# Altium PCB PCB1.PcbDoc
Units mil, origin at the board's own origin, x right, y up, seen from the top; angles counter-clockwise.
Board outline 3730.03 x 2640.03 mil, 2 copper layers (Top Layer, Bottom Layer); 21 components, 21 nets, 82 pads, 0 vias.
Unrouted connection lines stored in the file: 2.
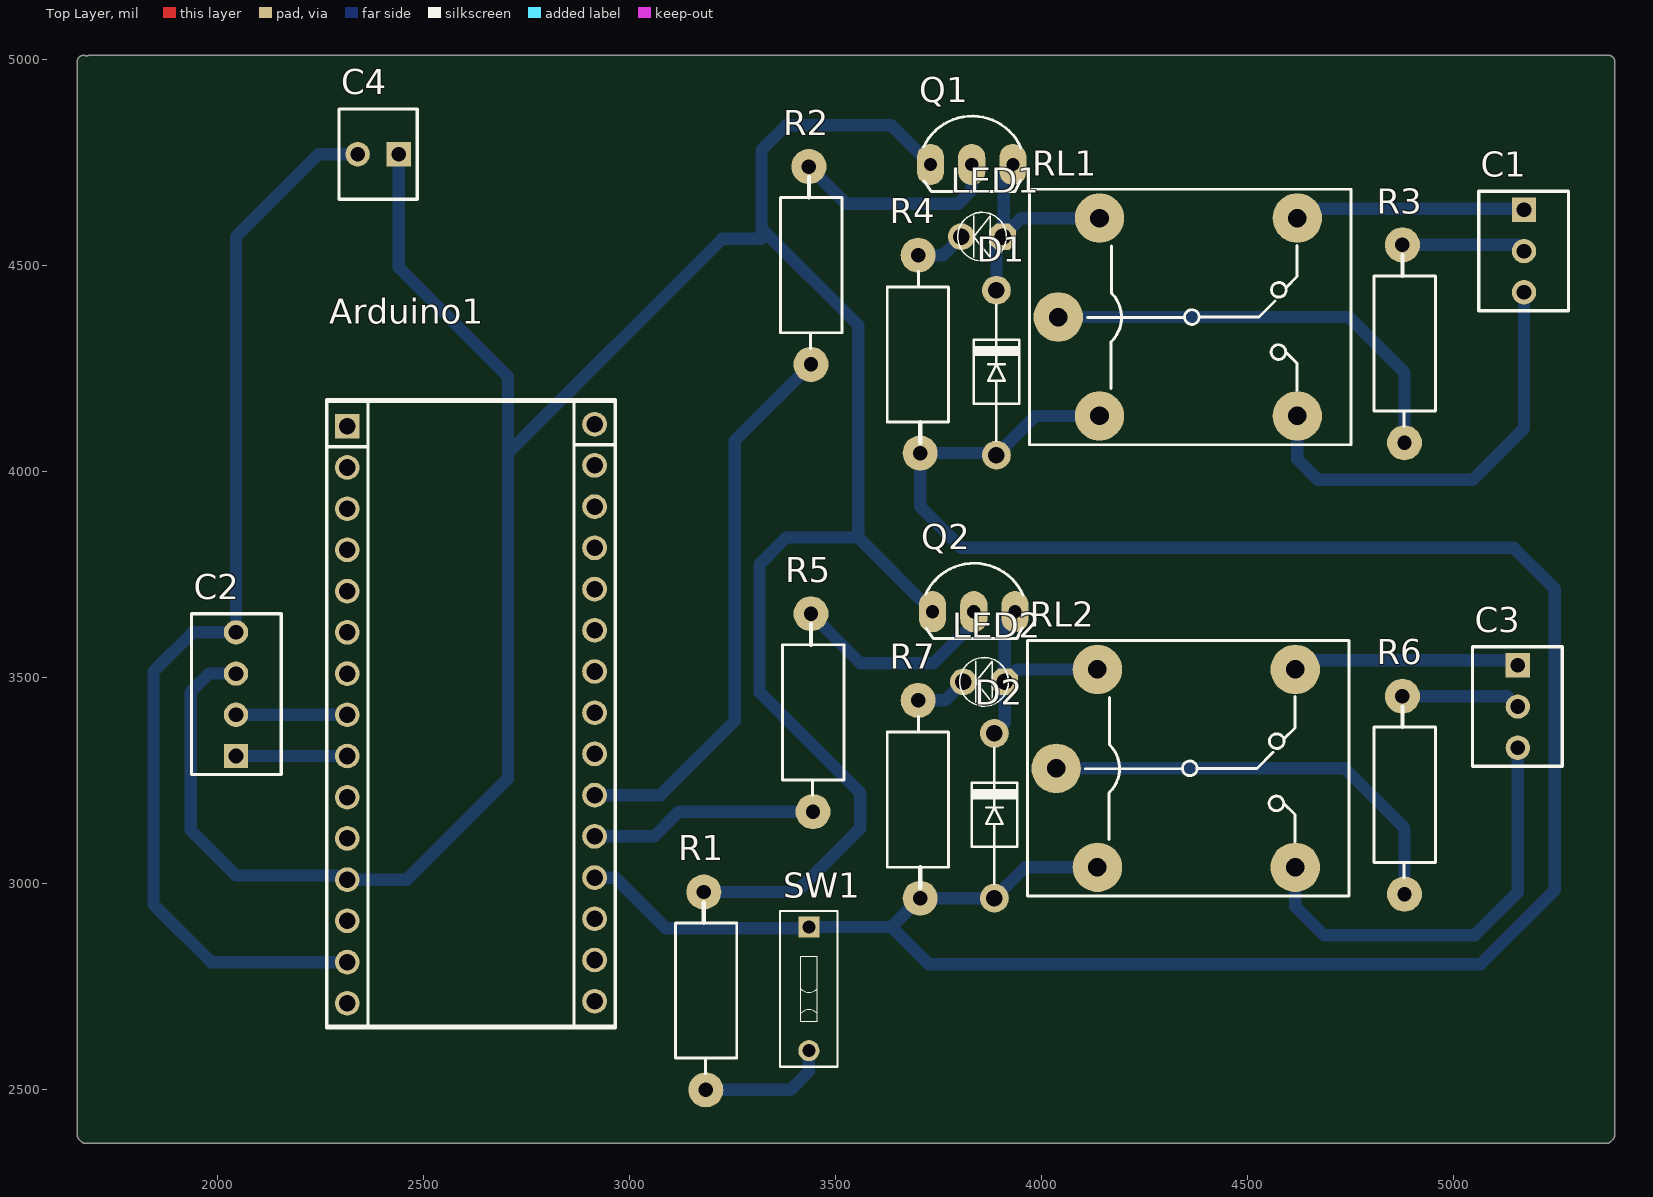
[diagram p0: Top Layer view]
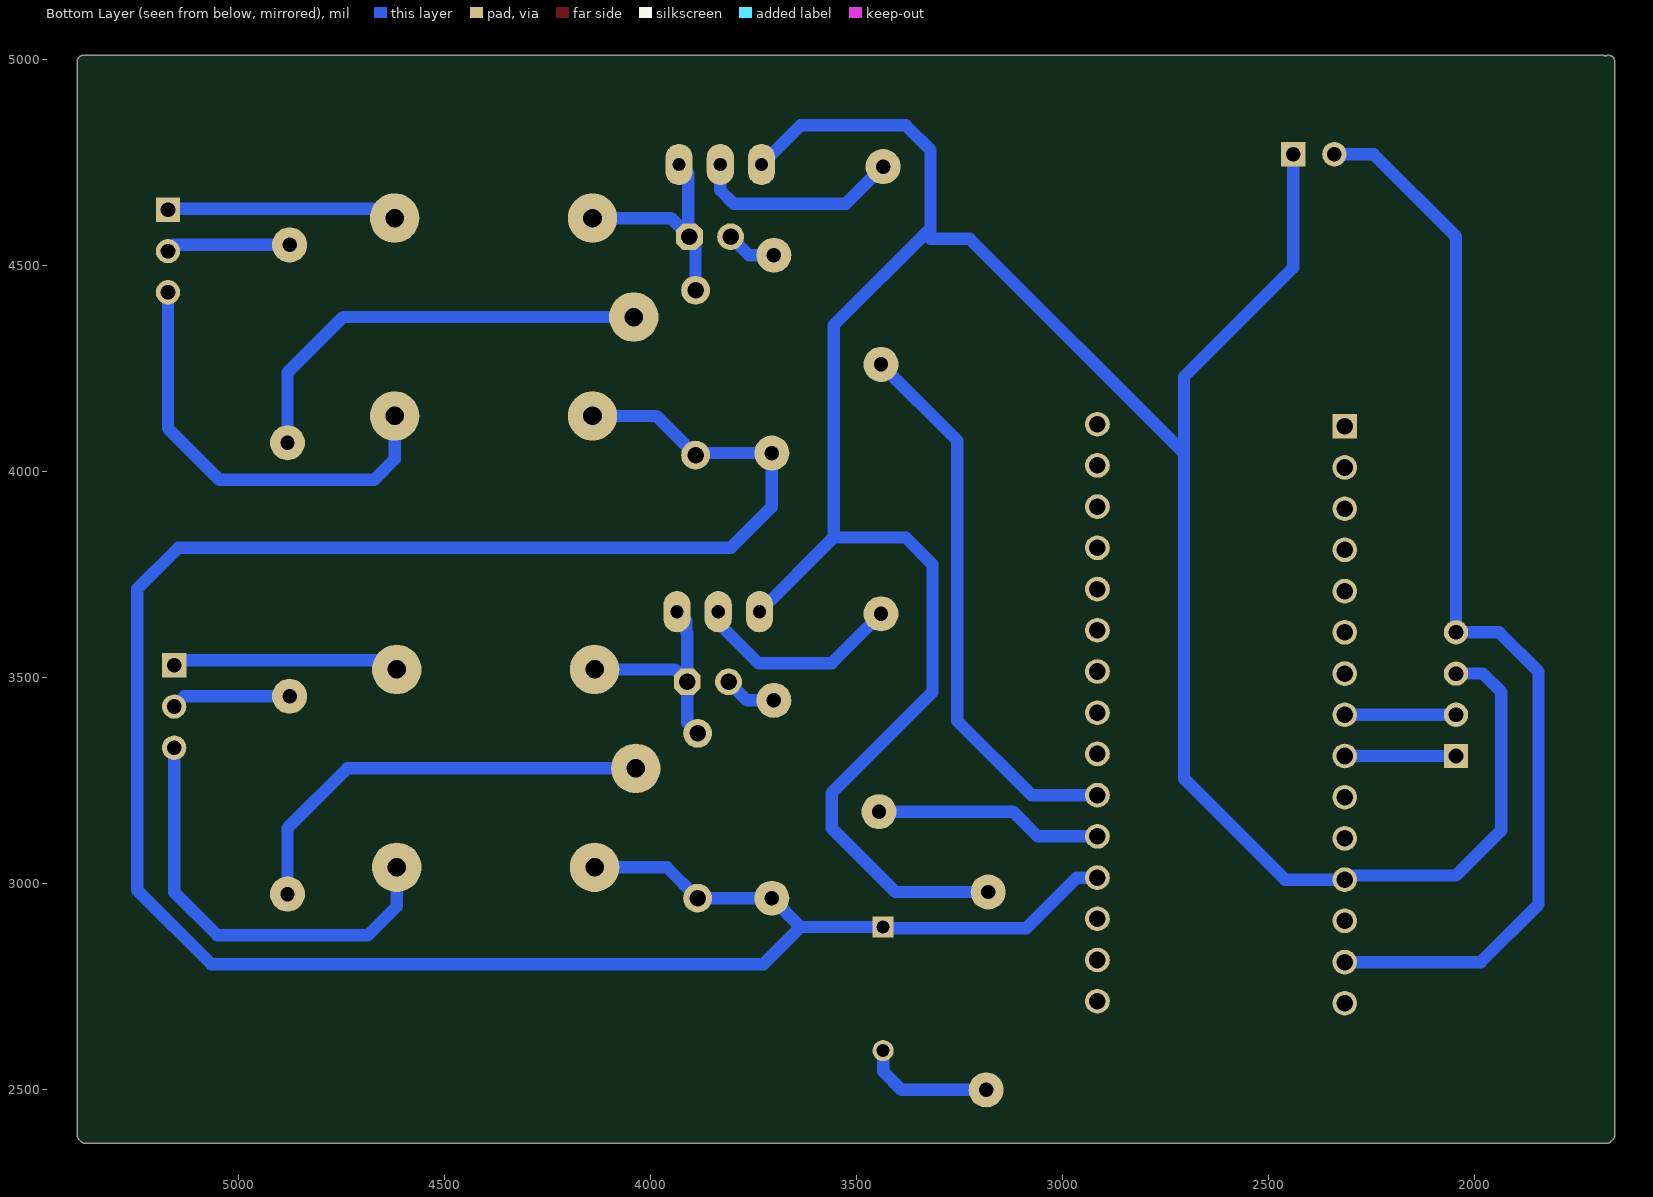
[diagram p1: Bottom Layer view, seen from below]

## Layer stack, top to bottom
Top Solder: solder mask 0.4, Solder Resist, Dk 3.5
Top Layer: signal copper 1.4
Dielectric 1: dielectric 12.6, FR-4, Dk 4.8
Bottom Layer: signal copper 1.4
Bottom Solder: solder mask 0.4, Solder Resist, Dk 3.5

## Board outline
1669.38,2374.38 1664.38,2379.38 1664.4,2379.37 cw(c1675,2390) 1659.98,2390 1659.98,4995 cw(c1675,4995) 1682.5,5008.01 cw(c1690,4995) 1690,5010.02 5375,5010.02 cw(c5375,4995) 5390.02,4995 5390.02,2390 cw(c5375,2390) 5385.6,2379.37 5385.62,2379.38 5380.62,2374.38 5380.63,2374.4 cw(c5370,2385) 5370,2369.99 1680,2369.99 cw(c1680,2385)

## Design rules (kind name [scope] priority, off if disabled: settings)
Clearance [All] p1: gap=30 ignorepadtopadclearanceinfootprint=FALSE
PolygonConnect [All] p1: connectstyle=Relief reliefconductorwidth=10 reliefentries=4 polygonreliefangle="90 Angle" airgapwidth=10
RoomDefinition Sheet1 [InComponentClass('Sheet1')] p1: confinementstyle=ConfineIn formatcopy=TRUE lockcomponents=FALSE outline 7045,1065 7260,1065 7260,1405 7045,1405
RoutingLayers [All] p1: top layer_v5=FALSE bottom layer_v5=TRUE
RoutingVias [All] p1: holewidth=30 width=80 viastyle="Through Hole" minholewidth=30 minwidth=80 maxholewidth=30 maxwidth=80
SolderMaskExpansion [All] p1: expansion=4
Width [All] p1: maxlimit=30 minlimit=20 preferedwidth=30
29 further rules are at their usual default settings.

## Components (designator, comment, footprint, x,y, rotation, side; value= is the part's Value field where it differs from the comment)
Arduino1 "Arduino Nano" "Arduino Nano" 2585,3405 r180 top value="Cau 1A"
C1 "Header3" HDR3 5170,4635 r270 top
C2 "Header4" HDR4 2045,3310 r90 top
C3 "Header3" HDR3 5155,3530 r270 top
C4 "Header2" HDR2 2440,4770 r180 top
D1 "Diode" DIO-1A 3890,4040 r90 top value=1N5007
D2 "Diode" DIO-1A 3885,2965 r90 top value=1N5007
LED1 "LED" LED-3MM-YELLOW 3905,4570 r180 top value="LED 3 ly Single Colour"
LED2 "LED" LED-3MM-YELLOW 3910,3490 r180 top value="LED 3 ly Single Colour"
Q1 "2N3906" TO92-123 3830,4745 r0 top value=A1015
Q2 "2N3906" TO92-123 3835,3660 r0 top value=A1015
R1 "Res" RES-1/2W 3185,2760 r270 top
R2 "Res" RES-1/2W 3440,4520 r270 top
R3 "Cau chi" RES-1/2W 4880,4330 r270 top
R4 "Res" RES-1/2W 3700,4265 r90 top
R5 "Res" RES-1/2W 3445,3435 r270 top
R6 "Cau chi" RES-1/2W 4880,3235 r270 top
R7 "Res" RES-1/2W 3700,3185 r90 top
RL1 "Relay 10A/12V" "RELAY 5" 4365,4375 r0 top value="Relay SPDT, 10A, 12V"
RL2 "Relay 10A/12V" "RELAY 5" 4360,3280 r0 top value="Relay SPDT, 10A, 12V"
SW1 "SW" SW-DIP1-1 3435,2745 r180 top value="SW chip 2 pin"

## Footprints (in the part's own frame and the unit in brackets; to place one, negate y for a bottom-side part, rotate by r counter-clockwise, add the part's x,y. Pads: shape width x height; smd on the part's side, far side on the other; paste and mask are expansions set on the pad)
"Arduino Nano" [mm]
  round 1.52 hole 1.02: 3V3(6.858,-15.367) 5V(6.858,10.033) A0(6.858,-10.287) A1(6.858,-7.747) A2(6.858,-5.207) A3(6.858,-2.667) A4(6.858,-0.127) A5(6.858,2.413) A6(6.858,4.953) A7(6.858,7.493) D2(-8.382,7.366) D3(-8.382,4.826) D4(-8.382,2.286) D5(-8.382,-0.254) D6(-8.382,-2.794) D7(-8.382,-5.334) D8(-8.382,-7.874) D9(-8.382,-10.414) D10(-8.382,-12.954) D11(-8.382,-15.494) D12(-8.382,-18.034) GND(-8.382,9.906) GND(6.858,15.113) REF(6.858,-12.827) RST(-8.382,12.446) RST(6.858,12.573) RX0(-8.382,14.986) TX1(-8.382,17.526) VIN(6.858,17.653)
  rect 1.52x1.52 hole 1.02: D13(6.858,-17.907)
  silkscreen extent -9.65,-19.55 8.13,19.18, body extent -9.65,-23.48 8.14,21.44, height 21.18
DIO-1A [mil]
  round 70 hole 40: 1(0,0) 2(400,0)
  silkscreen extent 35,-55 365,55, body extent -11,-50 411,54, height 102
HDR2 [mm] "Connector; Header; 2 Position"
  rect 1.5x1.5 hole 0.9: 1(0,0)
  round 1.5 hole 0.9: 2(2.54,0)
  silkscreen extent -1.14,-2.79 3.68,2.77, body extent -1.27,-2.92 3.81,2.88, height 11.72
HDR3 [mm] "Connector; Header; 3 Position"
  rect 1.5x1.5 hole 0.9: 1(0,0)
  round 1.5 hole 0.9: 2(2.54,0) 3(5.08,0)
  silkscreen extent -1.14,-2.79 6.22,2.74, body extent -1.27,-2.92 6.35,2.88, height 11.72
HDR4 [mm] "Connector; Header; 4 Position"
  rect 1.5x1.5 hole 0.9: 1(0,0)
  round 1.5 hole 0.9: 2(2.54,0) 3(5.08,0) 4(7.62,0)
  silkscreen extent -1.14,-2.79 8.76,2.74, body extent -1.27,-2.92 8.89,2.88, height 11.72
LED-3MM-YELLOW [mil]
  oct 65x65 hole 40: 1(0,0)
  round 65 hole 40: 2(100,0)
  silkscreen extent -9,-59 109,59, body extent -27,-77 117,80, height 181
"RELAY 5" [mil] "Reley DPDT, 8 pin, 1A, W400mil, L800mil,H 300mil"
  round 120 hole 45: 1(-325,0) 2(255,240) 3(255,-240) 4(-225,-240) 5(-225,240)
  silkscreen extent -395,-310 385,310, body extent -371,-304 381,306, height 602
RES-1/2W [mil]
  round 85 hole 35: 1(-220,-5) 2(260,0)
  silkscreen extent -195,-74 221,75, body extent -230,-60 270,56, height 121
SW-DIP1-1 [mm] "01p, 2.54mm Pitch, Horizontal, Box Type, THT, flat Actuator, red, without Tape, Tube"
  rect 1.3x1.3 hole 0.8: 1(0,-3.81)
  round 1.3 hole 0.8: 2(0,3.81)
  silkscreen extent -1.77,-4.8 1.77,4.8, body extent -1.77,-4.8 1.77,4.8, height 5.4
TO92-123 [mil] "TO-92"
  oval 66x100 hole 32: 1(-100,0) 2(0,0) 3(100,0)
  silkscreen extent -117,-65 120,118, body extent -109,-66 109,95, height 245

## Part data
Arduino1: "Arduino NANO", ="Cau 5A"
C1 C3: "Header IDC, 3 x 1 Pin Vertical 2.54mm Pitch (Non-Boxed, Male)", Manufacturer="Würth Elektronik eiSos GmbH", partNo=613002143121, ComponentLink1 Description=Manufacturer, ComponentLink1URL=http://www.we-online.com, ComponentLink2 Description=Datasheet, ComponentLink2URL=http://katalog.we-online.de/em/datasheet/6130xx143121.pdf, Created by="Karrer Zheng", Created Date="29 March 2013", NoPins=02
C2: "Header IDC, 4 x 1 Pin Vertical 2.54mm Pitch (Non-Boxed, Male)", Manufacturer="Würth Elektronik eiSos GmbH", partNo=613002143121, ComponentLink1 Description=Manufacturer, ComponentLink1URL=http://www.we-online.com, ComponentLink2 Description=Datasheet, ComponentLink2URL=http://katalog.we-online.de/em/datasheet/6130xx143121.pdf, Created by="Karrer Zheng", Created Date="29 March 2013", NoPins=02
C4: "Header IDC, 2 x 1 Pin Vertical 2.54mm Pitch (Non-Boxed, Male)", Manufacturer="Würth Elektronik eiSos GmbH", partNo=613002143121, ComponentLink1 Description=Manufacturer, ComponentLink1URL=http://www.we-online.com, ComponentLink2 Description=Datasheet, ComponentLink2URL=http://katalog.we-online.de/em/datasheet/6130xx143121.pdf, Created by="Karrer Zheng", Created Date="29 March 2013", NoPins=02
D1 D2: "Default Diode", Code - JEDEC=DO-214-AB, Published=8-Jun-2000, Publisher="Altium Limited", Revision="July-2002: Re-released for DXP Platform."
LED1 LED2: "LED Single colour Green and Red"
Q1 Q2: "PNP 600mW, ECB", =A1013
R1 R2 R4 R5 R7: Manufacturer="Generic Components", Class=Passive, Published=08/06/2000, Publisher="Altium Hobart Technology Centre", SubClass=R
R3 R6: library part Res, "Res", Manufacturer="Generic Components", Class=Passive, Published=08/06/2000, Publisher="Altium Hobart Technology Centre", SubClass=R
RL1 RL2: library part "Relay 5", "Relay SPDT,10A - 12VDC 5 Pin", ="Relay SPDT, 10A, 24V"
SW1: library part SW2, "Switch button 2 pin"

## Nets (pads, with @x,y where several pads share a name; then routed paths per layer and width w, separated by ;. In a path a pad name is that pad's centre, name@x,y a point inside that pad or via, vN(x,y) a via of type N, cw(c..) or ccw(c..) an arc to the next point about the centre after c; other vN are vias at no path point)
GND: Arduino1.D4 Arduino1.GND C2.4 C4.2 D1.1 D2.1 R4.1 R7.1 RL1.4 RL2.4 SW1.1 | length 8684.6
  Bottom Layer w30: Arduino1.GND@2315,2810 1985,2810 1845,2950 1845,3515 1940,3610 C2.4 2045,4570 2245,4770 C4.2 ; Arduino1.GND@2915,3015 2964.84,3015 3087.34,2892.5 3435,2892.5 SW1.1 3635,2895 ; RL2.4 3960,3040 D2.1 R7.1 3635,2895 ; RL1.4 3985,4135 D1.1 3885,4045 R4.1 3705,3915 3805,3815 5145,3815 5245,3715 5245,2985 5065,2805 3725,2805 3635,2895
NetArduino1_A4: Arduino1.A4 C2.2 | length 270
  Bottom Layer w30: C2.2 Arduino1.A4
NetArduino1_A5: Arduino1.A5 C2.1 | length 270
  Bottom Layer w30: C2.1 Arduino1.A5
NetArduino1_D2: Arduino1.D2 R5.2 | length 554.9
  Bottom Layer w30: Arduino1.D2 3059.85,3115 3119.85,3175 R5.2
NetArduino1_D3: Arduino1.D3 R2.2 | length 1356.2
  Bottom Layer w30: Arduino1.D3 3075,3215 3255,3395 3255,4075 R2.2
NetC1_1: C1.1 RL1.2 | length 561.8
  Bottom Layer w30: RL1.2 4642.5,4637.5 5170,4637.5 C1.1
NetC1_2: C1.2 R3.1 | length 301.2
  Bottom Layer w30: R3.1 5155,4550 C1.2
NetC1_3: C1.3 RL1.3 | length 1057.5
  Bottom Layer w30: RL1.3 4620,4030 4670,3980 5045,3980 5170,4105 C1.3
NetC3_1: C3.1 RL2.2 | length 554.5
  Bottom Layer w30: RL2.2 4637.5,3542.5 5142.5,3542.5 C3.1
NetC3_2: C3.2 R6.1 | length 290.4
  Bottom Layer w30: R6.1 5130,3455 C3.2
NetC3_3: C3.3 RL2.3 | length 1057.6
  Bottom Layer w30: RL2.3 4615,2945 4685,2875 5050.15,2875 5155,2979.85 C3.3
NetD1_2: D1.2 LED1.1 Q1.3 RL1.5 | length 571
  Bottom Layer w30: D1.2 3890,4555 LED1.1 LED1.1@3908,4573 ; Q1.3 3908,4723 LED1.1@3908,4573 ; RL1.5 3950,4615 LED1.1@3908,4573
NetD2_2: D2.2 LED2.1 Q2.3 RL2.5 | length 553.1
  Bottom Layer w30: D2.2 3910,3390 LED2.1 ; Q2.3 3913,3638 3913,3610.69 3910,3607.69 LED2.1 ; RL2.5 3940,3520 LED2.1
NetLED1_2: LED1.2 R4.2 | length 123.6
  Bottom Layer w30: R4.2 3760,4525 LED1.2
NetLED2_2: LED2.2 R7.2 | length 128.6
  Bottom Layer w30: R7.2 3765,3445 LED2.2
NetQ1_2: Q1.2 R2.1 | length 508.2
  Bottom Layer w30: R2.1 3525,4650 3797.5,4650 3830,4682.5 Q1.2
NetQ2_2: Q2.2 R5.1 | length 512.5
  Bottom Layer w30: R5.1 3560,3535 3737.31,3535 3835,3632.69 Q2.2
NetR1_2: R1.2 SW1.2 | length 318.6
  Bottom Layer w30: R1.2 3390,2500 3435,2545 SW1.2
NetR3_2: R3.2 RL1.1 | length 1065.9
  Bottom Layer w30: RL1.1 4745,4375 4880,4240 R3.2
NetR6_2: R6.2 RL2.1 | length 1065.1
  Bottom Layer w30: RL2.1 4735,3280 4880,3135 R6.2
VCC: Arduino1.5V C2.3 C4.1 Q1.1 Q2.1 R1.1 | length 7083.7
  Bottom Layer w30: C2.3 1980,3510 1935,3465 1935,3130 2045,3020 2305,3020 Arduino1.5V 2460,3010 2705,3255 2705,4045 ; C4.1 2440,4495 2705,4230 2705,4045 ; R1.1 3405,2980 3560,3135 3560,3220 3315,3465 3315,3775 3380,3840 3555,3840 ; Q1.1 3635,4840 3380,4840 3320,4780 3320,4590 ; Q2.1 3555,3840 ; 2705,4045 3225,4565 3320,4565 3320,4590 ; 3320,4590 3555,4355 3555,3840
pads on no net: Arduino1.3V3 Arduino1.A0 Arduino1.A1 Arduino1.A2 Arduino1.A3 Arduino1.A6 Arduino1.A7 Arduino1.D5 Arduino1.D6 Arduino1.D7 Arduino1.D8 Arduino1.D9 Arduino1.D10 Arduino1.D11 Arduino1.D12 Arduino1.D13 Arduino1.REF Arduino1.RST Arduino1.RX0 Arduino1.TX1 Arduino1.VIN